# KiCad board smoothiev2-prime-2660.kicad_pcb (continued)
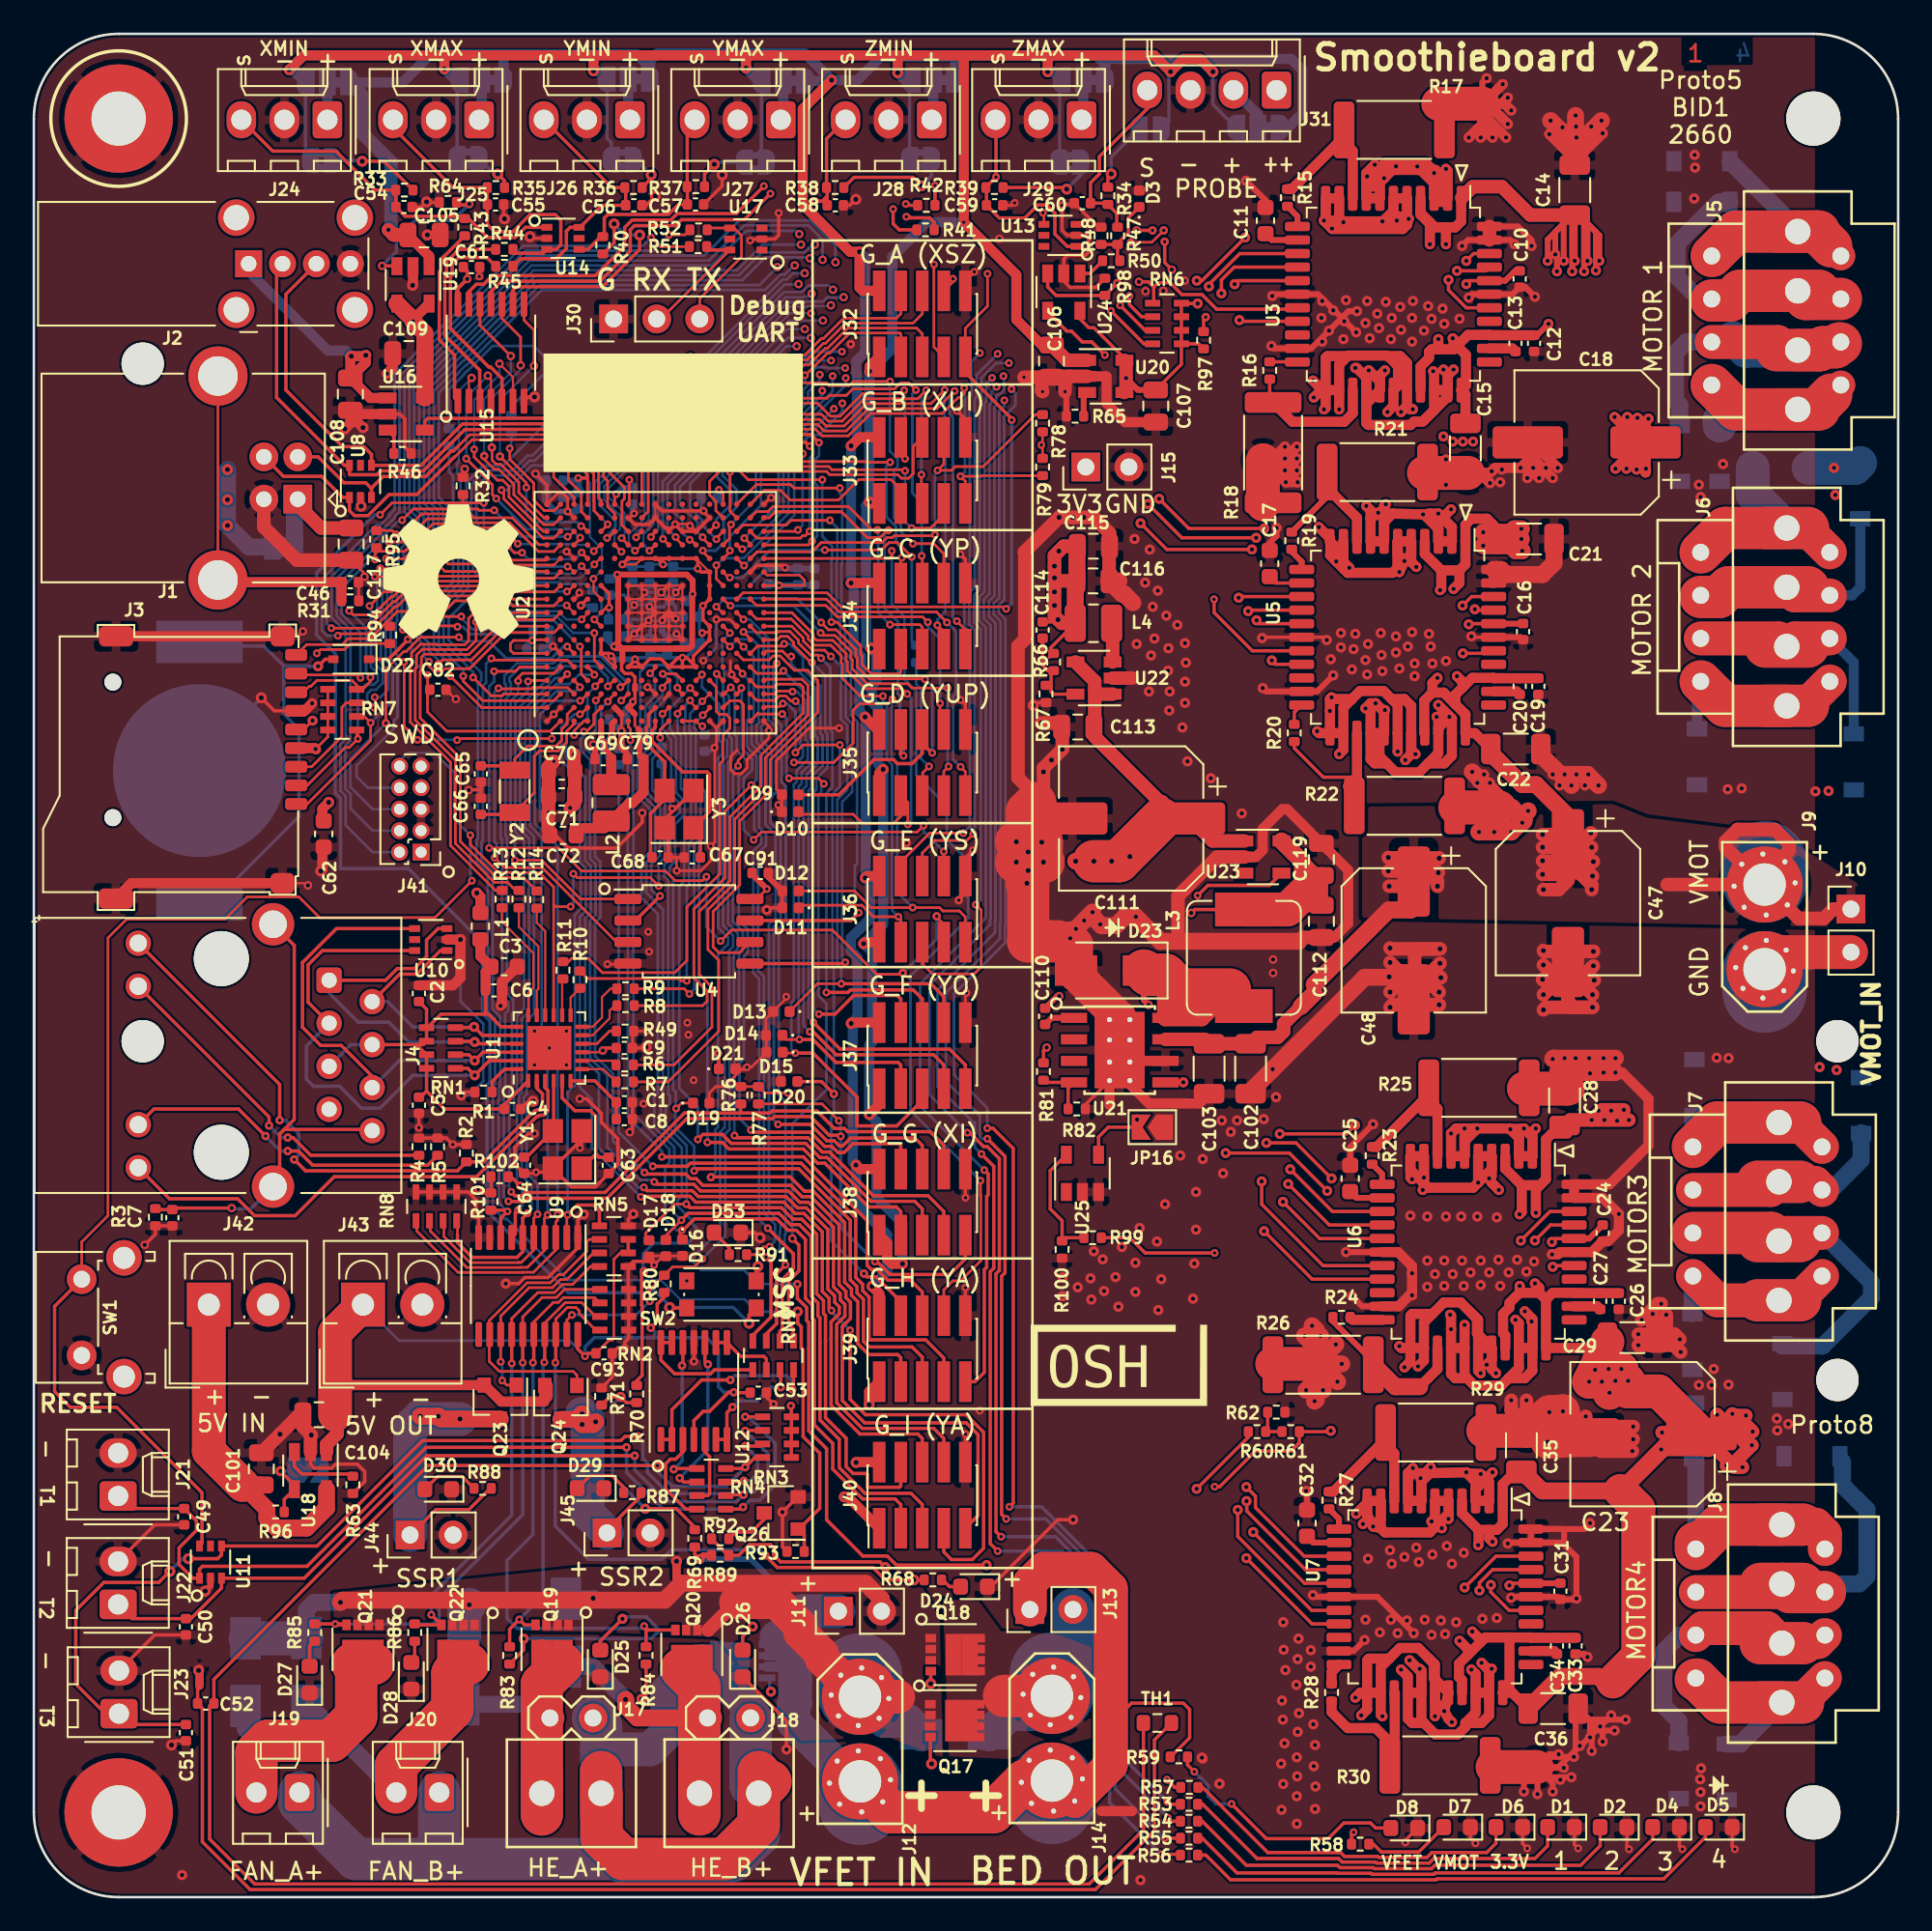
[diagram p0: board, top side]
## Routing (per net, layer and track width the routed paths; a pad name or vN(x,y) marks a point on that pad's centre or on a via; arc(x,y) is an arc through that point) (continued)
  Top w1: v2(87.17,62.88) v2(86.17,62.88) v2(85.27,62.88) 86.47,64.08 NT4.2 ; v2(87.17,62.88) 86.47,63.58 NT4.2 ; v2(87.17,62.88) 87.72,63.43 v2(87.82,63.43) 87.92,63.53 87.92,63.63 ; v2(89.62,49.48) 89.67,49.53 v2(93.32,49.53) ; NT6.2 75.67,32.43 v2(74.97,33.13) ; NT6.2 75.87,31.48 v2(76.92,30.43) ; NT6.2 v2(76.82,32.63) ; NT6.2 75.67,32.88 v2(75.92,33.13) ; NT6.2 75.67,33.48 v2(75.42,33.73) ; NT6.2 v2(77.17,31.48) ; NT6.2 75.67,29.38 v2(75.57,29.28) ; NT6.2 75.67,30.53 v2(75.07,29.93) ; NT6.2 75.67,30.33 v2(76.07,29.93) ; C28.2 90.49,48.68 v2(93.32,48.68) ; 87.92,63.63 87.92,63.88 v2(88.17,64.13) ; 87.92,63.63 87.22,64.33 NT4.2 ; NT4.2 86.47,64.83 v2(84.87,66.43) ; v2(90.32,66.28) 91.67,66.28 v2(92.32,65.63) ; 64.02,77.7 63.45,77.7 64.21,76.94 64.33,76.94 64.85,76.42 ; 90.92,103.45 90.92,103.31 ; 90.92,103.45 91.07,103.45 v2(92.49,104.88) ; 90.92,103.45 v2(89.49,104.88) ; C22.2 88.92,67.43 v2(90.72,65.63) ; 74.64,56.43 66.47,56.43 v4(65.02,57.88) 64.37,57.88 v4(63.85,57.36) 62.99,57.36 v4(62.92,57.43) 62.46,57.89 v4(62.46,58.15) v4(61.97,57.65) v4(61.48,57.17) 61.15,56.83 v4(61.15,56.6) 60.98,56.43 60.41,56.43 ; C14.2 90.97,102.31 v2(90.97,105.18) ; U5.44 86.57,78.38 86.87,78.08 89.02,78.08 89.7,78.75 C21.2 ; 81.47,54.31 78.53,54.31 v2(73.1,48.88) 71.8,47.57 C102.2
  Top w2: NT7.2 v2(89.42,28.63) v2(90.22,28.68) 90.27,27.53 v2(89.32,26.88) 90.82,26.98 91.8,26.98 ; v4(61.15,56.6) 61.49,56.26 D23.2 61.49,54.46 64.07,51.89 U21.9 ; J10.2 103.13,55.79 J9.2
  Top w2.5: 59.1,64.58 58.6,64.08 v1(58.6,59.85) 58.6,61.41 v1(59.47,62.28) 59.47,61.2 v1(59.57,61.1) 59.17,61.1 v1(57.97,62.31) v1(58.67,61.7) v1(57.97,61.11) v1(58.67,60.61) 58.67,56.43 60.41,56.43
  In1.Cu w0.6: 103.06,108.9 102.09,108.9 100.82,107.63 96.5,107.63 96.5,108.26 95.41,109.35
  Bottom w0.16: C90.2 35.45,77.6 v3(36.02,77.03) 36.32,77.33 C85.2 ; 42.27,77.45 43.31,78.49 v3(44.32,78.49) ; v1(25.17,56.53) 25.17,52.9 26.52,51.55 26.52,48.17 25.68,47.33 v2(25.22,47.33) ; v3(40.27,75.43) 40.27,73.77 v3(39.5,73) ; C94.2 39.36,81.99 v3(39.52,81.84) ; C83.2 37.72,77.18 v3(37.87,77.03) 37.87,76.88 C96.2 ; C81.2 37.05,65.2 37.55,64.7 37.55,64.38 ; C84.2 37.97,75.58 v3(37.87,75.48)
  Bottom w0.2: C96.2 37.17,76.18 v3(36.32,76.18) ; C96.2 37.87,76.18 v3(37.87,75.48) ; C96.2 v4(37.02,77.03) ; v4(37.02,77.03) 36.32,76.33 v3(36.32,76.18) ; v4(37.02,77.03) 37.15,77.03 C83.2 ; v4(37.02,77.03) 36.89,77.03 C85.2 ; v4(37.02,77.03) v3(36.02,77.03) ; v1(13.42,70.81) 9.77,67.16 BT1.2 ; C95.2 44.37,78.44 v3(44.32,78.49) ; v3(36.32,76.18) 36.22,76.28 v3(35.42,76.28) ; v3(36.32,76.18) 36.32,76.73 v3(36.02,77.03) ; v3(36.32,76.18) 36.27,76.13 v3(36.27,75.38) ; v3(36.27,75.38) v3(37.07,75.38) 37.77,75.38 v3(37.87,75.48) ; v3(36.27,75.38) 36.37,75.28 C86.2 ; v3(36.27,75.38) 36.22,75.43 C88.2 34.87,75.73 v3(35.42,76.28) ; v3(35.42,76.28) 36.02,76.88 v3(36.02,77.03) ; v3(35.42,76.28) 34.83,76.87 C97.2 ; v3(40.16,67.86) 39.96,67.66 C80.2 ; v3(37.87,75.48) 37.87,74.63 v3(37.92,74.58) 37.47,74.13 35.87,74.13 v3(35.42,74.58)
  Bottom w0.35: v4(29.6,84.03) 30.01,83.62 30.26,83.62 30.24,83.61 30.24,82.36 30.8,81.8 v3(31.5,81.8) 31.99,81.8 32.16,81.97 ; C75.2 44.38,78.43 v3(44.32,78.49) 44.31,78.48 C74.2 ; v3(35.42,74.58) 35.42,74.88 C88.2 ; v3(35.42,74.58) 34.97,74.58 C98.2 ; v3(35.42,74.58) 35.69,74.31 C86.2 ; C92.2 35.32,81.78 v3(35.41,81.68) ; 30.41,74.78 30.41,74.07 v3(30.63,73.85) 30.44,73.66 C78.2 ; v3(37.07,75.38) 37.07,74.73 37.37,74.43 C89.2 37.63,74.29 v3(37.92,74.58) 38.37,74.13 C87.2 ; C118.2 34.67,67.98 v4(34.67,68.84) 34.65,68.84 C100.2
  Bottom w0.6: J10.2 105.58,55.79 104.82,55.03 J9.2
  Bottom w2: D46.2 107.47,84.38 v2(106.22,84.38) D47.2
  vias: v1(37.92,19.83) v2(8.75,1.31) v2(60.7,36.58) v2(60.7,35.48) v2(61.6,36) v2(62.35,36.53) v2(62.39,35.28) v2(62.55,38.13) v2(63.07,37.66) v2(63.14,35.78) v2(63.82,36.61) v2(63.99,34.86) v2(64.2,38.38) v2(64.95,80.18) v2(64.99,37.45) v2(64.99,35.73) v2(65.07,73.98) v2(65.24,39.5) v2(65.3,1) v2(65.57,77.61) v2(65.8,71.18) v2(65.85,79.56) v2(66.02,76.18) v2(65.92,73.31) v2(66.12,74.31) v2(66.27,38.7) v2(66.32,77.13) v2(66.35,34.66) v2(66.52,36.48) v2(66.74,40.91) v2(66.82,75.66) v2(66.95,73.73) v2(66.92,72.41) v2(67.02,71.18) v2(66.99,70.06) v2(67.47,75.11) v2(67.64,43.78) v2(67.77,69.06) v2(67.92,74.03) v2(67.97,72.88) v2(67.92,71.75) v2(67.92,70.5) v2(68.07,67.06) v2(68.39,35.33) v2(68.47,37.41) v2(68.57,41.63) v2(68.57,39.41) v2(68.97,43.58) v2(69.45,66.06) v2(69.96,6.69) v2(70.1,45.86) v2(70.17,42.73) v2(70.62,45.18) v2(70.99,45.86) v2(71.27,63.98) v2(72.57,45.93) v2(73.3,47.23) v2(73.6,7.88) v2(73.62,5.16) v2(73.64,11.6) v2(73.7,10.48) v2(73.72,16.23) v2(73.74,14.6) v2(73.8,9.08) v2(73.72,6.68) v2(73.82,84.93) v2(73.85,13.41) v2(74.49,12.53) v2(74.52,8.25) v2(74.52,5.96) v2(74.52,4.33) v2(74.62,15.25) v2(74.57,14.06) v2(74.57,9.75) v2(74.55,7.13) v2(74.64,10.85) v2(75.35,14.58) v2(75.35,13.6) v2(75.49,10.21) v2(75.52,7.73) v2(75.6,8.98) v2(75.62,6.53) v2(75.6,5.21) v2(76.02,94.23) v2(75.97,93.23) v2(76.02,91.83) v2(76.42,92.48) v2(76.52,73.08) v2(76.67,93.68) v2(77.12,74.63) v2(77.12,73.78) v2(77.27,91.98) v2(77.42,94.28) v2(77.32,93.03) v2(77.77,72.48) v2(77.87,73.68) v2(77.97,74.58) v2(78.57,92.93) v2(78.57,73.03) v2(78.57,16.38) v2(78.67,94.23) v2(78.67,72.18) v2(78.72,73.98) v2(78.72,19.98) v2(78.82,92.03) v2(79.27,93.48) v2(79.37,92.63) v2(79.42,15.63) v2(79.47,74.63) v2(79.52,73.33) v2(79.57,72.38) v2(79.77,94.18) v2(80.02,20.48) v2(80.12,93.23) v2(80.07,91.98) v2(80.12,19.68) v2(80.07,16.38) v2(80.37,74.43) v2(80.37,73.48) v2(80.47,15.58) v2(80.62,93.88) v2(80.57,72.53) v2(80.67,92.53) v2(80.87,20.08) v2(81.02,16.33) v2(81.07,73.83) v2(81.22,40.23) v2(81.37,94.23) v2(81.32,93.23) v2(81.32,91.83) v2(81.32,74.68) v2(81.47,72.83) v2(81.47,72.08) v2(81.57,20.63) v2(81.72,19.78) v2(82.02,92.48) v2(82.07,16.38) v2(82.27,93.93) v2(82.22,40.18) v2(82.22,37.58) v2(82.22,36.03) v2(82.32,74.58) v2(82.42,73.83) v2(82.47,93.18) v2(82.52,72.83) v2(82.52,20.23) v2(82.47,15.48) v2(82.67,36.78) v2(83.02,16.33) v2(83.12,93.78) v2(83.22,92.88) v2(83.22,37.58) v2(83.22,36.08) v2(83.27,15.53) v2(83.32,84.88) v2(83.32,72.98) v2(83.32,40.18) v2(83.37,20.73) v2(83.67,19.68) v2(83.72,36.78) v2(83.92,16.23) v2(84.12,93.18) v2(84.22,40.18) v2(84.27,37.58) v2(84.37,36.08) v2(84.37,20.33) v2(84.77,36.88) v2(85.17,65.78) v2(85.17,40.18) v2(85.37,37.58) v2(85.37,36.13) v2(85.47,16.43) v2(85.57,66.28) v2(85.87,36.88) v2(85.92,65.78) v2(86.32,40.13) v2(86.42,37.63) v2(86.32,16.48) v2(86.52,83.53) v2(86.52,36.08) v2(86.62,84.28) v2(87.02,36.88) v2(87.52,37.63) v2(88.07,36.93) v2(88.47,84.38) v2(88.52,37.53) v2(89.22,84.38) v2(89.62,66.28) v2(90.02,65.63) v2(90.07,6.93) v2(90.2,104.48) v2(90.32,49.53) v2(90.99,104.53) v2(91.02,66.28) v2(90.97,49.53) v2(91.52,65.63) v2(91.72,66.28) v2(91.77,49.53) v2(91.89,104.53) v2(91.82,48.63) v2(92.42,10.08) v2(92.62,49.53) v2(92.62,48.68) v2(97.99,102.86) v2(98.02,102.11) v2(97.97,100.28) v2(98.24,83.38) v2(98.24,30.23) v2(98.35,82.66) v2(98.37,7.6) v2(98.32,6.96) v2(98.35,6.21) v2(98.35,5.35) v2(98.99,30.23) v2(99.12,31.18) v2(99.3,49.56) v2(99.67,84.61) v2(99.95,65.41) v2(99.99,49.53) v2(99.99,30.25) v2(100.77,65.45) v2(102.85,28.25) v2(102.87,27.56) v2(103.52,27.93) v2(105.12,65.28) v2(105.37,49) v2(105.89,65.31) v2(106.3,82.78) v2(106.37,48.83) v3(26.55,76.06) v3(35.97,46.84) v3(36.25,56.99) v3(36.3,55.82) v3(38.56,51.62) v3(38.62,50.91) v3(38.93,48.23) v3(55.81,28.72) v4(56.97,97.91) v4(65.6,94.81) v4(66.64,94.83) v4(67.89,95.43) v4(73.12,55.36) v4(73.12,54.56) v5(48.2,91.68) v5(51.49,62.23)
/ADC1_CH12: length 55.6
  Top w0.16: U2.M3 v3(38.72,71.38) ; D19.1 38.22,46.88 v3(37.9,46.56)
  Top w0.2: J39.5 52.42,31.88 51.82,32.48 49.28,32.48 48.95,32.81 48.95,35.29 48.57,35.67 48.57,36.04 48.17,36.44 48.17,39.96 45.13,43 39.09,43 v3(38.96,42.87)
  Bottom w0.16: 37.85,46.31 37.85,46.51 v3(37.9,46.56) ; 37.85,46.31 37.85,45.44 38.96,44.33 v3(38.96,42.87) ; 37.85,46.31 37.88,46.34 37.88,47.54 37.72,47.69 37.72,60.16 37.49,60.39 37.49,60.81 37.83,61.15 37.83,63.34 38.4,63.91 38.4,64.7 37.89,65.21 37.89,68.45 37.68,68.65 37.68,68.78 37.53,68.93 37.53,70.19 v3(38.72,71.38)
/ADC1_CH13: length 53.2
  Top w0.16: U2.M4 v3(39.42,72.18)
  Top w0.2: 45.55,41.68 45.55,41.69 ; 45.55,41.68 45.98,41.68 47.84,39.83 47.84,36.31 48.24,35.9 48.24,35.53 48.62,35.15 48.62,32.67 49.26,32.03 50.97,32.03 51.15,31.85 J39.3 ; 45.55,41.68 45.46,41.68 44.62,42.52 39.97,42.52 v5(39.95,42.5) ; D21.1 40.42,49.76 v5(40.37,49.81)
  Bottom w0.16: v5(39.95,42.5) 40.21,42.76 40.21,45.3 ; 40.21,45.3 40.37,45.46 v5(40.37,49.81) 40.37,55.67 40.96,56.26 40.96,56.66 40.38,57.24 40.38,67.25 40.6,67.47 40.6,68.14 40.43,68.31 40.43,70.42 39.42,71.43 v3(39.42,72.18) ; 40.21,45.3 40.21,45.27
/ADC1_CH15: length 45.8
  Top w0.16: U2.U2 43.13,70.29 44.01,70.29 v3(44.19,70.47) ; v3(47.55,68.02) 45.39,68.02 v3(44.93,67.57)
  Top w0.2: J39.4 51.15,35.16 49.69,36.62 49.17,36.62 v5(48.98,36.81) ; v5(47.2,47.42) 46.47,48.15 D20.1
  Bottom w0.16: v3(47.55,68.02) 47.55,65.55 47.11,65.11 47.11,54.91 47.2,54.83 47.2,46.19 47.05,46.05 47.05,38.73 v5(48.98,36.81) ; v3(44.19,70.47) 44.44,70.47 44.93,69.97 v3(44.93,67.57)
/ADC3_CH6: length 67.7
  Top w0.16: U2.L3 37.97,71.33 v3(37.97,71.4) ; v3(38.24,39.38) 38.12,39.26 38.12,38.83
  Top w0.2: J40.3 51.15,23.18 50.82,23.51 48.9,23.51 47.14,25.27 47.14,26.79 46.05,27.87 46.05,32.57 46.05,34.06 45.93,34.18 45.93,34.95 45.53,35.35 45.53,38.83 44.99,39.37 44.5,39.37 43.83,40.04 38.97,40.04 38.31,39.38 v3(38.24,39.38)
  Bottom w0.16: v3(38.24,39.38) 37.91,39.38 37.24,40.05 37.24,43.11 37.5,43.37 37.5,44.15 35.37,46.28 35.37,64.24 35.34,64.28 35.34,67.7 35.64,68 35.64,69.03 35.78,69.17 35.78,71.12 35.77,71.13 35.77,72.31 36.19,72.73 37.22,72.73 37.97,71.98 v3(37.97,71.4)
/ADC3_CH8: length 63.1
  Top w0.16: U2.K2 37.1,69.86 v3(37.09,69.86) ; v3(38.5,40.91) 37.8,40.91 36.1,39.2 36.1,38.78
  Top w0.2: J40.4 51.15,24.28 51.07,24.2 49.18,24.2 49.18,24.96 49.13,25.01 48.33,25.01 47.93,25.42 47.93,27.09 46.71,28.31 46.71,32.85 46.71,34.33 46.59,34.45 46.59,35.22 46.19,35.62 46.19,39.14 45.3,40.03 44.78,40.03 44.11,40.7 38.71,40.7 v3(38.5,40.91)
  Bottom w0.16: v3(37.09,69.86) 37.09,68.96 37.39,68.66 37.39,68.53 37.6,68.33 37.6,65.09 38.11,64.58 38.11,64.06 37.54,63.49 37.54,61.27 37.2,60.93 37.2,60.27 37.43,60.04 37.43,47.4 37.54,47.29 37.54,46.87 37.28,46.61 37.28,45.6 38.52,44.36 38.52,40.93 v3(38.5,40.91)
/ADC3_CH9: length 66.7
  Top w0.16: v3(36.36,72.25) 36.67,72.56 U2.J5 ; 37.12,38.81 37.12,38.88 v3(38.2,39.97)
  Top w0.2: J40.5 52.42,23.18 51.76,23.84 49.04,23.84 47.52,25.36 47.52,27.03 46.38,28.17 46.38,32.71 46.38,32.71 46.38,34.2 46.26,34.32 46.26,35.08 45.86,35.49 45.86,39.01 45.16,39.7 44.64,39.7 43.97,40.37 38.61,40.37 v3(38.2,39.97)
  Bottom w0.16: v3(36.36,72.25) 36.65,71.96 36.65,70.91 36.07,70.34 36.07,69.05 35.93,68.91 35.93,67.88 35.63,67.58 35.63,64.96 36.36,64.23 36.36,61.72 35.85,61.21 35.85,59 36.82,58.03 36.82,47.45 36.6,47.24 36.6,45.46 37.79,44.27 37.79,41.36 37.64,41.21 37.64,40.53 v3(38.2,39.97)
/BED_FET: length 39.3
  Top w0.16: v3(32.23,70.63) 32.27,70.63 U2.D3 ; 31.45,39.61 U9.2 31.45,40.09 31.49,40.13 v3(31.49,40.28)
  Top w0.2: v3(31.49,40.28) 32.06,40.86 33.02,40.86 33.37,40.5 RN5.5
  Bottom w0.16: v3(32.23,70.63) 30.67,70.63 29.86,69.82 29.86,63.65 31.93,61.58 31.93,60.97 32.27,60.63 32.27,58.34 31.92,57.99 31.92,47.93 31.49,47.5 v3(31.49,40.28)
/BOOT0: length 91.4
  Top w0.16: 25.38,82.32 25.32,82.38 25.32,82.81 ; 25.38,82.32 v3(26.55,82.32) ; 25.38,82.32 21.14,82.32 v3(20.43,81.61) ; U2.E8 v3(33.07,75.43)
  Top w0.2: v1(37.51,34.81) 37.54,34.78 SW2.1 ; v1(42.2,33.88) 42.2,34.36 SW2.1
  Bottom w0.16: v3(26.55,82.32) 26.55,80.1 26.08,79.64 26.08,79.09 25.92,78.92 25.92,78.3 26.6,77.61 31.05,77.61 31.15,77.52 32.6,77.52 33.45,76.68 33.45,76.59 33.47,76.57 33.47,76.43 33.5,76.4 33.5,75.84 33.3,75.64 33.28,75.64 v3(33.07,75.43)
  Bottom w0.2: v1(42.2,33.88) 41.26,34.81 v1(37.51,34.81) 37.51,34.92 36.65,35.78 36.22,35.78 36.12,35.68 31.55,35.68 26.73,40.5 26.73,47.94 26.91,48.12 26.91,51.74 26.47,52.18 26.47,56.36 22.09,60.73 18.09,60.73 18.09,64.87 17.78,65.18 17.78,73.42 16.68,74.52 16.68,78.19 20.1,81.61 v3(20.43,81.61)
/CARD_DET: length 16.7
  Top w0.16: U2.A9 27.96,75.83 27.26,76.53 24.83,76.53 24.21,75.9 21.44,75.9 20.76,75.22 ; 20.76,75.22 19.84,74.3 18.55,74.3 18.2,73.95 16.09,73.95 J3.9 ; 20.76,75.22 20.95,75.03 R94.1
/CS_A: length 58.6
  Top w0.128: U2.E10 33.03,77.07 33.03,77.82 v3(33.02,77.83)
  Top w0.2: RN6.1 66.08,94.17 66.08,95.05 ; 66.08,95.05 65.76,95.37 v4(65.21,95.37) ; 66.08,95.05 66.34,95.31 67.04,95.31 67.74,94.61 68.92,94.61 69.78,93.75 74.48,93.75 U3.18
  In2.Cu w0.2: v4(45.12,95.23) 46.32,95.23 46.8,95.7 47.93,95.7 48.04,95.59 52.29,95.59 52.77,95.11 53.54,95.11 53.93,94.72 62.83,94.72 62.87,94.77 64.1,94.77 64.7,95.37 v4(65.21,95.37)
  Bottom w0.128: 32.57,85.18 32.57,83.74 32.81,83.5 32.81,80.3 33.52,79.59 33.52,78.34 v3(33.02,77.83)
  Bottom w0.16: 32.57,85.18 32.57,85.69 35.29,88.41 35.97,88.41 37.09,89.53 38.59,89.53 43.37,94.3 43.39,94.3 44.3,95.21 45.1,95.21 v4(45.12,95.23)
/CS_B: length 71.5
  Top w0.16: v3(33.82,80.24) 33.88,80.24 U2.F15
  Top w0.2: v3(63.55,93.65) 65.5,91.7 RN6.4 ; v3(69.64,76.62) 69.64,75.84 71.89,73.58 U5.18
  In2.Cu w0.2: v3(69.64,76.62) 68.36,77.9 68.36,91.66 66.51,93.51 63.69,93.51 v3(63.55,93.65) 63.47,93.73 53.52,93.73 53.13,94.12 49.27,94.12 48.94,94.45 v4(47.78,94.45)
  Bottom w0.16: v4(47.78,94.45) 47.76,94.43 46.81,94.43 46.57,94.2 45.53,94.2 45.49,94.16 44.48,94.16 38.98,88.66 37.45,88.66 35.69,86.9 35.69,85.72 33.37,83.4 33.37,82.18 34.31,81.24 34.31,80.88 33.82,80.38 v3(33.82,80.24)
/CS_C: length 111.7
  Top w0.16: v3(33.23,84.89) 33.61,84.51 33.61,83.86 33.85,83.62 33.85,82.1 34.27,81.68 U2.F16
  Top w0.2: U6.18 76.07,37.28 72.45,40.9 v2(72.45,42.25) ; RN6.3 65.57,92.5 v3(64.1,93.98)
  In2.Cu w0.2: v2(72.45,42.25) 72.45,42.54 73.74,43.83 74.02,43.83 75.24,45.05 75.24,62.88 70.19,67.94 70.19,76.75 68.69,78.25 68.69,91.8 66.52,93.98 v3(64.1,93.98) 63.96,94.11 63.33,94.11 63.28,94.06 53.66,94.06 53.27,94.45 52.5,94.45 52.09,94.86 48.09,94.86 48.01,94.93 47.77,94.93 47.19,94.93 v4(47.15,94.89)
  Bottom w0.16: v3(33.23,84.89) 33.23,85.94 35.41,88.12 36.09,88.12 37.21,89.24 38.74,89.24 44.26,94.76 45.27,94.76 45.29,94.78 45.34,94.78 45.7,95.14 46.9,95.14 v4(47.15,94.89)
/CS_D: length 132.1
  Top w0.16: v3(33.74,85.25) 33.97,85.02 33.97,84.1 34.84,83.22 34.84,82.55 34.7,82.41 34.7,81 U2.G15
  Top w0.2: RN6.2 65.36,93.3 64.64,94.02 v3(64.64,94.53) ; U7.18 75.4,16.93 71.04,21.29 v2(71.04,22.86)
  In2.Cu w0.2: v2(71.04,22.86) 71.01,22.89 71.01,40.07 73.1,42.16 73.1,42.72 73.88,43.5 74.16,43.5 75.57,44.91 75.57,63.02 70.52,68.07 70.52,76.89 69.02,78.38 69.02,91.94 66.65,94.31 64.87,94.31 v3(64.64,94.53) 64.55,94.44 63.01,94.44 62.96,94.39 53.8,94.39 53.41,94.78 52.64,94.78 52.15,95.26 48.15,95.26 47.9,95.26 47.79,95.37 46.93,95.37 46.22,94.66 v4(45.89,94.66)
  Bottom w0.16: v4(45.89,94.66) 45.72,94.49 45.41,94.49 45.37,94.45 44.36,94.45 38.86,88.95 37.33,88.95 36.21,87.83 35.53,87.83 33.74,86.04 v3(33.74,85.25)
/DIR_A: length 88.8
  Top w0.16: U2.A12 30.23,78.27 24.25,78.27 v3(23.83,78.69)
  Top w0.2: U3.41 85.66,96.01 v2(83.97,96.01)
  In2.Cu w0.2: v4(44.89,96.33) 44.64,96.58 44.64,98.42 45.23,99.01 49.53,99.01 50.13,98.42 52.26,98.42 53.59,99.75 56.38,99.75 57.53,98.6 62.11,98.6 63.71,100.2 71.73,100.2 75.92,96.01 v2(83.97,96.01)
  Bottom w0.16: v4(44.89,96.33) 44.84,96.33 44.3,95.79 44.06,95.79 43.15,94.88 29.96,94.88 25.52,90.44 25.49,90.44 25.08,90.03 25.08,90 23.89,88.82 23.89,82.63 24.44,82.09 24.44,79.3 v3(23.83,78.69)
/DIR_B: length 71.3
  Top w0.16: U2.H16 36.24,81.8 36.24,85.05 36.72,85.53 37.32,85.53 37.4,85.45 37.81,85.45 38.12,85.76 38.12,86.23 38.02,86.33 37.23,86.33 v3(37.16,86.26)
  Top w0.2: v2(72.6,80.8) 68.15,80.8 v2(66.39,82.56) ; v2(85.02,76.03) 85.07,75.98 U5.41
  In2.Cu w0.2: v2(85.02,76.03) 85.02,76.31 84.55,76.78 84.04,76.78 83.85,76.59 76.81,76.59 v2(72.6,80.8) ; v4(45.85,92.05) 46.67,92.05 47.11,92.49 48.57,92.49 48.59,92.47 52.42,92.47 52.94,91.95 62.44,91.95 62.55,91.84 65.85,91.84 66.39,91.3 v2(66.39,82.56)
  Bottom w0.16: v3(37.16,86.26) 38.24,87.33 39.77,87.33 44.49,92.05 v4(45.85,92.05)
/DIR_C: length 115.1
  Top w0.128: U2.H14 35.53,79.49 v3(35.47,79.49)
  Top w0.2: v2(73.51,45.06) 77.44,45.06 v2(77.96,45.58) ; v2(88.57,38.76) 89.49,39.68 U6.41
  In2.Cu w0.2: v2(88.57,38.76) 88.04,39.29 87.48,39.29 87.33,39.14 80.79,39.14 77.96,41.97 v2(77.96,45.58) ; v4(46.56,93.08) 46.63,93.15 48.84,93.15 48.86,93.13 52.69,93.13 53.21,92.61 62.71,92.61 62.82,92.5 66.12,92.5 67.37,91.25 67.37,77.3 69.2,75.48 69.2,67.52 74.25,62.47 74.25,45.8 v2(73.51,45.06)
  Bottom w0.128: v4(46.56,93.08) 44.56,93.08 39.35,87.87 37.78,87.87 36.48,86.57 36.48,85.39 36.02,84.93 36.02,81.38 35.11,80.47 35.11,80.29 35.1,80.29 35.1,79.86 v3(35.47,79.49)
/DIR_D: length 140.7
  Top w0.16: U2.G14 35.07,79.84 v3(34.68,80.23)
  Top w0.2: U7.41 86.07,19.33 85.3,18.55 v2(85.3,18.1)
  In2.Cu w0.2: v3(45.85,93.5) 45.91,93.56 46.79,93.56 46.87,93.48 48.98,93.48 49,93.46 52.83,93.46 53.33,92.96 63.11,92.96 63.22,92.85 66.24,92.85 67.7,91.39 67.7,77.44 69.53,75.62 69.53,67.66 74.58,62.61 74.58,45.32 73.75,44.49 73.47,44.49 70.18,41.2 70.18,24.61 70.3,24.48 70.3,23.98 70.18,23.85 70.18,19.57 72.16,17.58 74.84,17.58 75.17,17.25 75.67,17.25 76,17.58 84.77,17.58 v2(85.3,18.1)
  Bottom w0.128: v3(45.85,93.5) 44.62,93.5 39.24,88.12 37.67,88.12 36.22,86.68 36.22,85.5 33.92,83.19 33.92,82.64 34.85,81.71 34.85,80.4 v3(34.68,80.23)
/driver-a-2660/COIL_A1: length 54.8
  Top w0.6: v2(81.63,102.17) 82.62,101.18 U3.3 v2(82.62,101.78) ; U3.2 83.42,101.93 v2(83.32,102.03) ; v2(80.37,102.18) v2(79.67,101.48) 79.42,101.23 U3.7 U3.8 78.62,101.78 v2(79.12,102.28)
  Top w1: 82.44,101.78 82.05,102.17 v2(81.63,102.17) 79.81,102.17 79.81,102.02 78.97,101.18 ; 82.44,101.78 v2(82.62,101.78) 83.02,101.2 83.02,100.28 ; 82.44,101.78 82.57,101.78
  Top w2.5: J5.4 100.44,98.33 J5.4 105.18,98.33 106.05,97.46
  In2.Cu w2: J5.4 93.81,102.08 v2(83.32,102.03) v2(81.63,102.17) v2(80.37,102.18) v2(79.12,102.28) 79.17,102.08 v2(78.67,101.58) ; J5.4 105.18,98.33
  Bottom w1: J5.4 104.08,98.47 D35.1
/driver-a-2660/COIL_A2: length 66.6
  Top w0.6: v2(76.6,98.5) v2(76.12,98.98) ; v2(76.6,98.5) 76.62,98.48 80.77,98.48 81.02,98.73 ; v2(76.6,98.5) 77.02,98.93 v2(79.57,98.93) ; v2(76.6,98.5) 76.22,98.88 U3.11 ; v2(76.12,98.98) 77.17,98.98 v2(77.27,98.88) 77.02,99.13 U3.10 U3.11 ; v2(76.12,98.98) 76.22,99.08 U3.11 ; U3.6 80.22,99.28 v2(80.42,98.98) ; U3.6 80.22,99.55 79.6,98.93 v2(79.57,98.93) ; U3.6 U3.5 ; v2(79.57,98.93) 79.92,98.88 ; U3.5 81.02,99.18 v2(81.12,99.08) ; U3.5 81.02,98.73 ; 80.27,99.23 80.52,99.23 v2(81.12,99.08) ; 80.27,99.23 v2(80.42,98.98) ; 80.27,99.23 79.92,98.88 ; 79.92,98.88 80.32,98.88 v2(80.42,98.98) ; v2(81.12,99.08) 81.02,98.73
  Top w2.5: J5.3 104.56,94.35 J5.3 100.66,94.83 100.09,94.26 99,94.26
  In2.Cu w2.5: v2(77.27,98.88) 81.18,98.88 81.56,99.26 92.54,99.26 97.45,94.35 J5.3 ; v2(76.12,98.98) 77.05,99.83
  Bottom w1: D34.1 99.42,100.08 96.97,97.63 96.97,95.63 98.25,94.35 J5.3
/driver-a-2660/COIL_B1: length 67.5
  Top w0.6: U3.32 83.42,89.83 v2(83.77,90.18) ; U3.32 83.42,89.93 v2(83.17,90.18) ; U3.32 U3.31 ; U3.32 83.42,88.58 82.02,87.18 ; U3.27 78.62,88.17 78.62,87.03 ; U3.27 79.42,89.48 v2(78.77,90.13) 78.62,89.98 U3.26 ; U3.27 79.42,89.83 v2(79.72,90.13) ; U3.26 78.62,89.71 78.05,90.28 v2(77.97,90.28) ; U3.26 78.62,87.03 ; 82.02,87.18 81.95,87.11 81.43,87.11 81.23,86.91 78.74,86.91 78.62,87.03 ; 82.02,87.18 82.62,87.78 U3.31 ; U3.31 82.62,90.03 v2(82.57,90.08)
  Top w1: J5.2 103.07,91.33 ; J5.2 103.42,91.33 ; J5.2 104.56,91.81 J5.2
  Top w2: J5.2 102.89,91.81 103.37,91.33
  Top w2.5: 106.62,91.72 106.53,91.72 106.31,91.5 105.55,91.5 105.38,91.33 J5.2
  In2.Cu w2: v2(78.77,90.13) v2(77.97,90.28) v2(79.72,90.13) v2(82.57,90.08) v2(83.17,90.18) 89.42,90.13 91.1,91.81 J5.2
  Bottom w1: D33.1 97.12,88.08 96.87,88.33 96.87,91.18 97.5,91.81 J5.2
  Bottom w2: 100.25,92.04 101,91.29 104.04,91.29 J5.2
/driver-a-2660/COIL_B2: length 67.2
  Top w0.6: 79.87,90.98 80.62,90.98 81.02,90.58 U3.29 81.02,88.03 ; 79.87,90.98 79.9,90.98 80.49,90.39 80.49,89.24 U3.28 80.22,88.03 v2(79.87,87.68) ; 79.87,90.98 79.84,91.01 77.55,91.01 77.52,90.98 ; U3.24 U3.23 ; U3.24 77.02,90.48 77.52,90.98 ; U3.24 v2(77.02,87.83) ; U3.23 76.22,90.88 76.32,90.98 77.52,90.98 ; U3.23 76.03,88.97 v2(75.47,89.53) ; U3.23 76.22,87.93 v2(76.12,87.83) ; U3.23 75.96,88.97 v2(75.52,88.53) ; 81.02,88.03 81.21,87.84 v2(81.36,87.84) ; 81.02,88.03 v2(80.67,87.68)
  Top w1: J5.1 106.62,88.38 106.07,87.83 J5.1
  Top w2.5: 106.05,88.7 105.18,87.83 J5.1 100.44,87.83 J5.1
  In2.Cu w2: v2(81.36,87.84) 81.36,87.68 81.36,87.68 ; 81.36,87.68 v2(79.87,87.68) v2(77.02,87.83) 77.17,87.68 v2(76.12,87.83) v2(75.47,89.53) v2(75.52,88.53) 75.72,89.13 ; 81.36,87.68 v2(80.67,87.68) 90.87,87.68 92.46,89.27 J5.1
  Bottom w2: J5.1 104.05,87.86 100.14,87.86 99.47,87.19 D32.1
/ESXMAX: length 16.8
  Top w0.128: U15.4 26.97,89.63 v4(26.79,89.82)
  Top w0.16: v3(25.51,84.92) 27.05,83.38 27.05,82.8 v3(27.28,82.57) ; U2.C14 32.22,80.18 32.22,80.24 v3(32.23,80.25)
  Bottom w0.128: v4(26.79,89.82) 25.51,88.55 v3(25.51,84.92)
  Bottom w0.16: v3(27.28,82.57) 29.1,80.75 31.73,80.75 v3(32.23,80.25) ; v3(25.51,84.92) 25.51,85 25.6,85.1
/ESXMIN: length 19.6
  Top w0.128: U15.2 25.67,89.53 v4(25.83,89.69)
  Top w0.16: v3(25.17,80.58) 25.19,80.56 27.39,80.56 28.12,79.84 28.12,79.6 28.35,79.37 v3(28.8,79.37) ; U2.D13 v3(32.32,79.38)
  Bottom w0.128: 25.07,84.73 25.07,88.93 v4(25.83,89.69)
  Bottom w0.16: v3(28.8,79.37) 29.18,78.99 31.93,78.99 v3(32.32,79.38) ; v3(25.17,80.58) 25.17,83.89 24.96,84.1 24.96,84.62 25.07,84.73
/ESYMAX: length 18.1
  Top w0.16: v3(29.05,83.22) 29.05,83.5 v5(27.5,85.05) ; v4(29.51,90.4) 29.51,92.51 28.92,93.1 U15.8 ; v3(32.29,80.94) 32.36,80.94 U2.D15
  Bottom w0.128: v4(29.51,90.4) 27.5,88.39 v5(27.5,85.05)
  Bottom w0.16: v3(32.29,80.94) 32.06,81.17 29.56,81.17 29.05,81.68 v3(29.05,83.22)
/ESYMIN: length 15.1
  Top w0.128: v4(27.47,90.53) 28.27,89.73 U15.6
  Top w0.16: U2.A15 30.06,80.63 28.03,82.66 28.03,83.29 27.66,83.65 27.34,83.65 25.98,85.02 v3(25.98,85.47)
  Bottom w0.128: v3(25.98,85.47) 25.98,88.38 27.47,89.87 v4(27.47,90.53)
/ESZMAX: length 17.2
  Top w0.16: v5(26.57,85.08) 26.57,84.89 27.16,84.3 27.42,84.3 28.32,83.41 28.32,82.8 30.09,81.03 30.67,81.03 U2.B16 ; U15.12 26.32,92.8 v4(28.14,90.98)
  Bottom w0.128: v4(28.14,90.98) 28.14,90.01 26.57,88.44 v5(26.57,85.08)
/ESZMIN: length 15.4
  Top w0.16: U15.10 27.62,93.2 28.72,92.1 v4(28.72,90.43) ; U2.A16 30.1,81.43 28.61,82.91 28.61,83.52 27.54,84.59 27.28,84.59 27.04,84.83 27.04,85.56 v5(27.02,85.58)
  Bottom w0.128: v4(28.72,90.43) 28.72,90.2 27.02,88.5 v5(27.02,85.58)
/ETH_CRSDV: length 26.6
  Top w0.16: v3(42.33,65.66) 40.77,64.1 40.77,60.16 38.94,58.33 38.94,54.27 39.72,53.49 39.72,52.89 39.46,52.63 R8.2 ; v3(41.81,72.23) 41.81,72.29 U2.R5
  Bottom w0.16: v3(42.33,65.66) 42.66,65.99 42.66,67.33 42.06,67.94 42.06,69.45 42.18,69.58 42.18,71.85 v3(41.81,72.23)
/ETH_MDC: length 24.3
  Top w0.128: v3(38.71,70.65) 38.71,70.59 U2.M2
  Top w0.16: 32.22,54.67 32.67,54.23 38.07,54.23 38.2,54.1 v3(38.52,54.1)
  Bottom w0.16: v3(38.52,54.1) 38.52,59.67 38.66,59.81 38.66,62.24 39.05,62.64 39.05,65 38.47,65.58 38.47,68.69 38.39,68.77 38.39,69.52 38.44,69.57 38.44,70.37 v3(38.71,70.65)
/ETH_MDIO: length 22.2
  Top w0.128: U2.N3 v3(39.44,70.6)
  Top w0.16: v3(38.68,53.32) 38.37,53.63 R9.2
  Bottom w0.16: v3(38.68,53.32) 38.96,53.6 38.96,59.42 38.95,59.43 38.95,62.12 39.34,62.52 39.34,65.12 38.76,65.7 38.76,68.81 38.68,68.89 38.68,69.4 38.73,69.45 38.73,69.89 v3(39.44,70.6)
/ETH_RFCLK: length 26.4
  Top w0.16: U2.N4 40.27,71.43 40.27,70 40.44,69.83 40.85,69.83 41.07,69.61 41.07,69 40.66,68.59 40.66,67.09 40.47,66.91 40.47,60.4 38.53,58.46 38.53,55.3 37.81,54.58 33.55,54.58 32.71,55.42 31.73,55.42 31.54,55.23 R11.2
/ETH_RXD0: length 31.9
  Top w0.16: U2.T4 42.65,71.45 43.7,71.45 43.86,71.61 45.2,71.61 45.39,71.42 45.39,69.9 42.87,67.38 42.87,65.57 41.06,63.76 41.06,59.99 39.26,58.19 39.26,54.47 40.01,53.72 40.01,51.37 37.77,49.13 R6.2
/ETH_RXD1: length 32.2
  Top w0.16: R7.2 37.43,48.13 40.41,51.11 40.41,55.31 39.77,55.95 39.77,58.29 41.35,59.87 41.35,63.64 43.16,65.45 43.16,67.26 45.68,69.78 45.68,71.54 45.32,71.9 43.14,71.9 U2.U4
/ETH_TXD0: length 29.3
  Top w0.128: v3(32.32,75.43) 32.67,75.78 U2.D9
  Top w0.16: v3(26.09,75.29) 26.09,74.19 25.55,73.65 23.66,73.65 23.64,73.67 22.92,73.67 22.57,73.33 22.57,72.59 22.5,72.51 22.5,69.49 24.87,67.12 24.87,62.21 27.17,59.91 27.95,59.91 28.43,59.43 R12.2
  Bottom w0.128: v3(26.09,75.29) 27.25,75.29 27.88,75.92 30.93,75.92 31.42,75.43 v3(32.32,75.43)
/ETH_TXD1: length 28.8
  Top w0.128: U2.C9 v3(31.45,76.25)
  Top w0.16: v3(25.92,76.09) 25.92,75.76 25.65,75.49 25.65,74.16 25.43,73.94 23.78,73.94 23.76,73.96 22.8,73.96 22.28,73.45 22.28,72.71 22.21,72.63 22.21,69.37 24.58,67 24.58,62.09 27.24,59.43 R13.2
  Bottom w0.128: v3(25.92,76.09) 25.92,76.05 26.34,75.63 26.75,75.63 27.37,76.25 v3(31.45,76.25)
